# Altium PCB OneBox.PcbDoc (part 12 of 13)
Units mm, origin at the board's own origin, x right, y up, seen from the top; angles counter-clockwise.
Board outline 101 x 69 mm, 6 copper layers (L1_Sig, L2_Gnd, L3_Pow, L4_Sig, L5_Gnd, L6_Sig), stack 1.538 mm thick; 766 components, 563 nets, 3133 pads, 2914 vias.
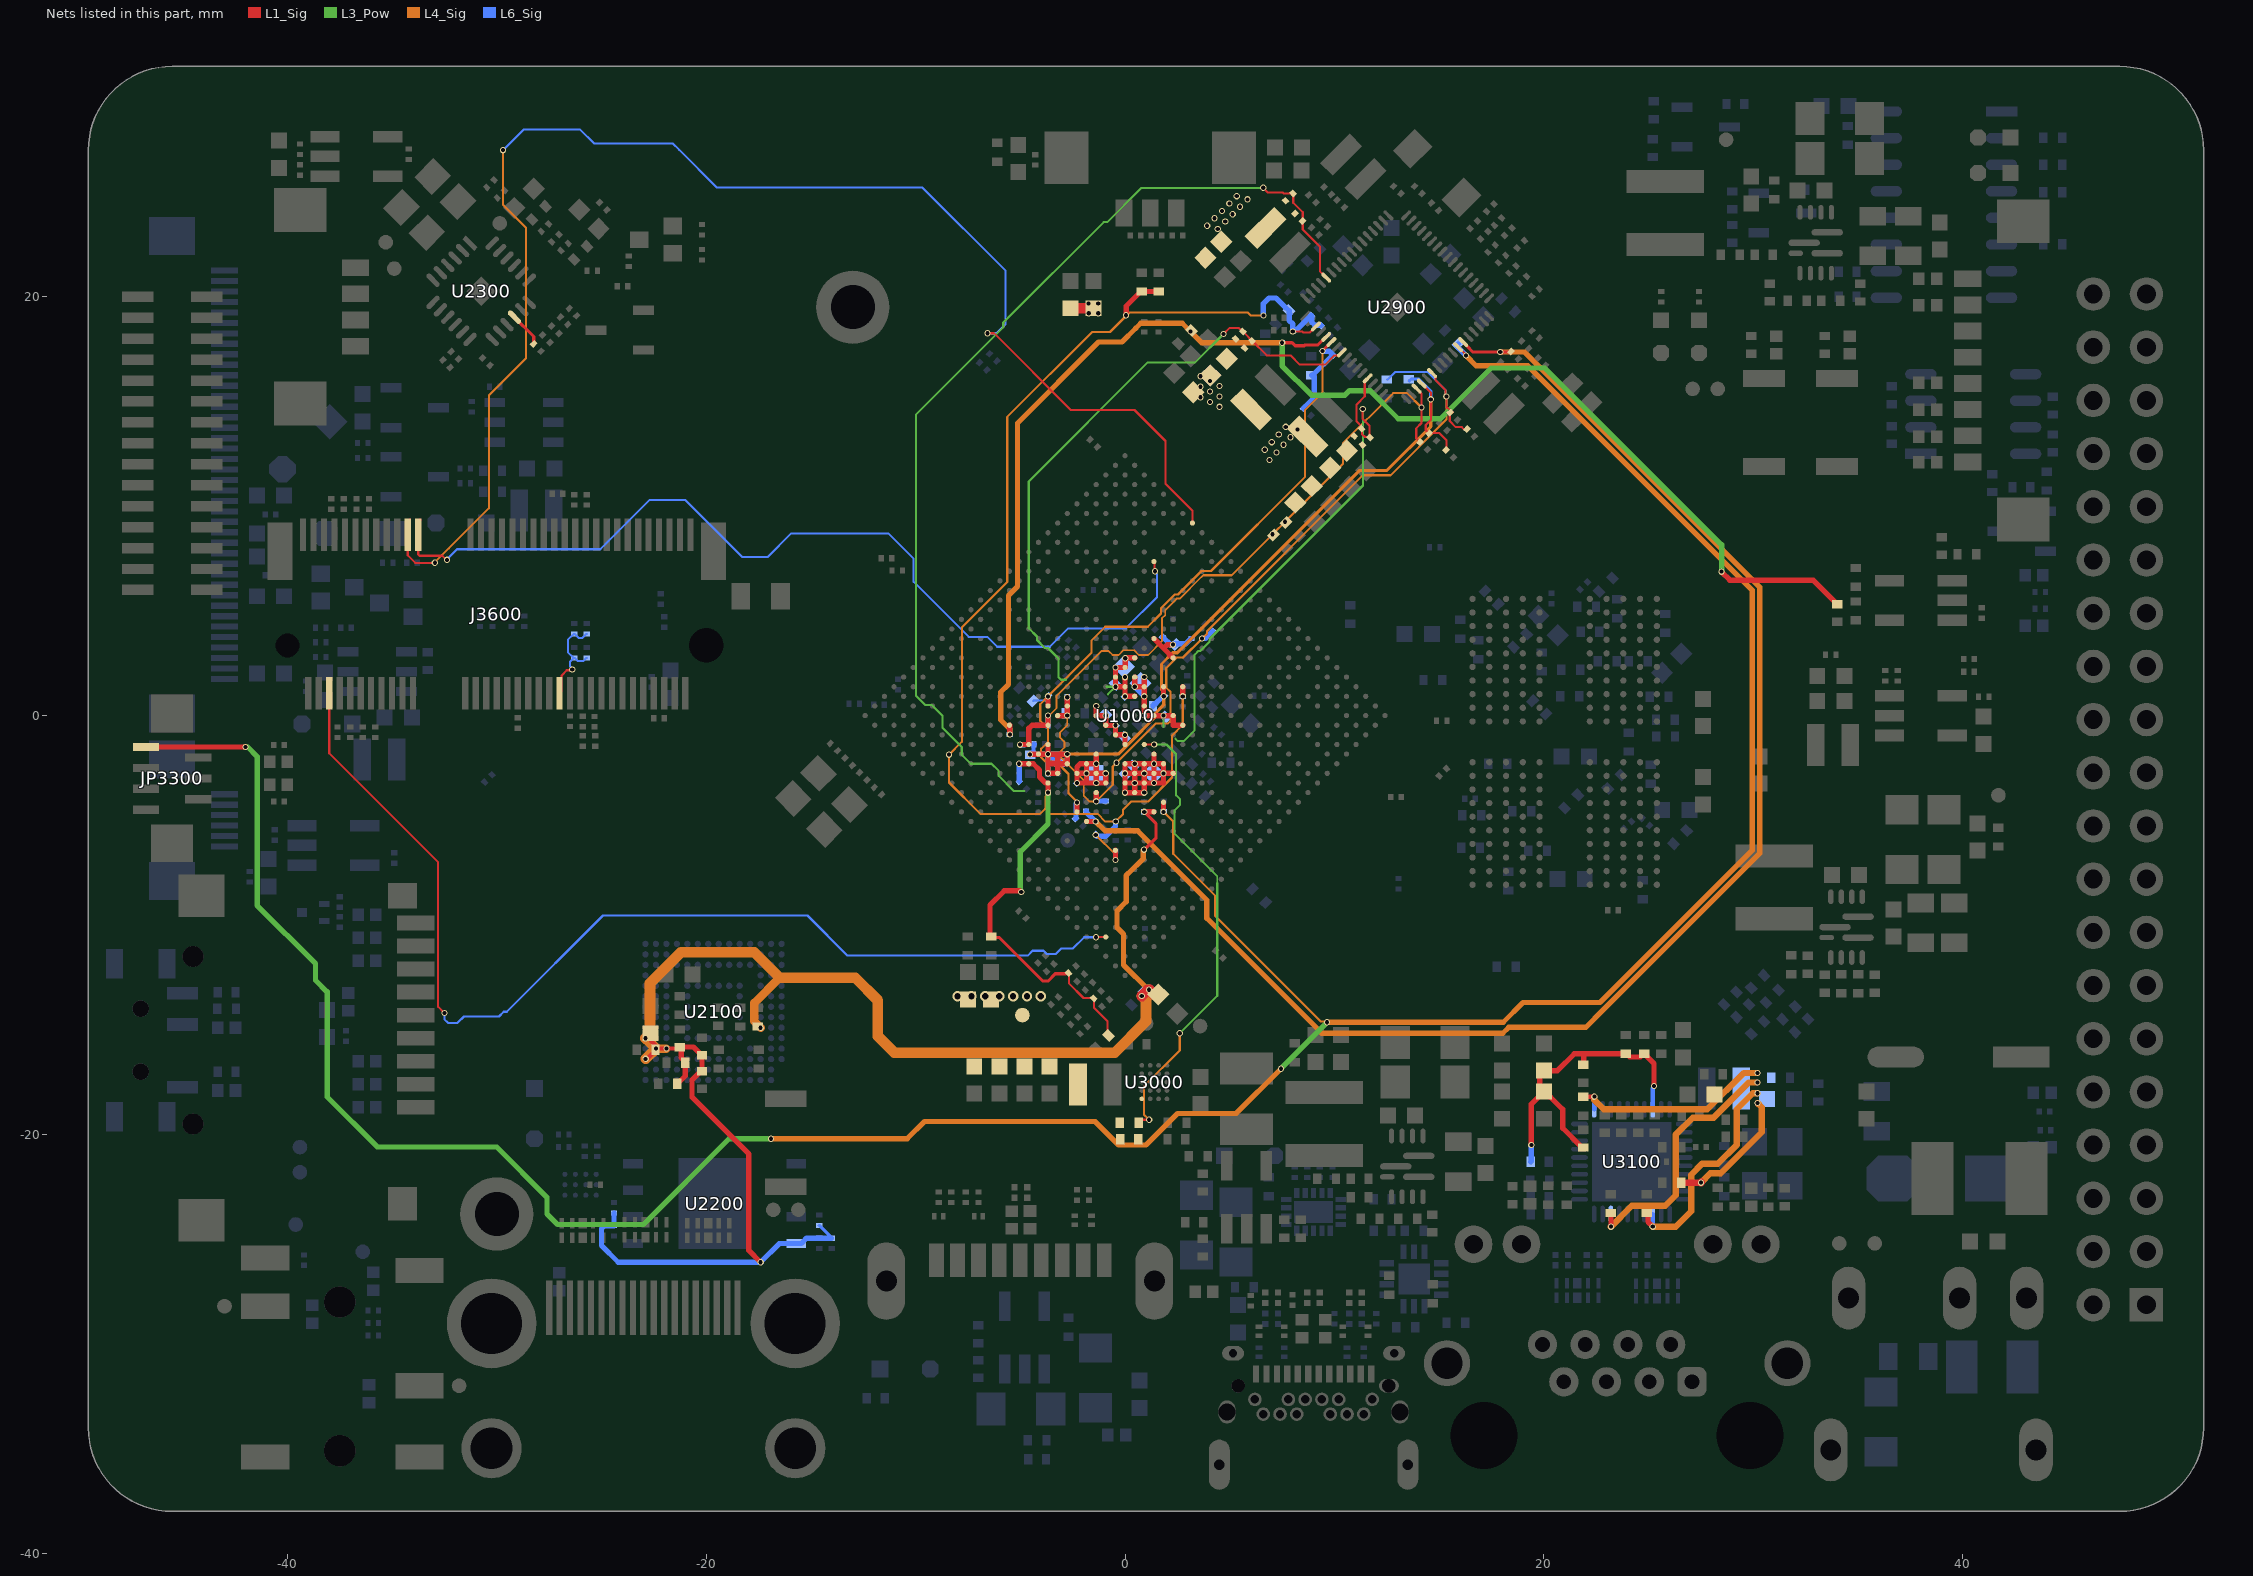
[diagram p16: the nets of this part, all layers, seen from the top]

## Via types
v1: diameter 0.3, hole 0.2, L1_Sig to L6_Sig, tented both sides, 2711 vias
v2: diameter 0.5, hole 0.3, L1_Sig to L6_Sig, tented both sides, 199 vias
v3: diameter 0.305, hole 0.203, L1_Sig to L6_Sig, tented both sides, 4 vias

## Nets (pads, with @x,y where several pads share a name; then routed paths per layer and width w, separated by ;. In a path a pad name is that pad's centre, name@x,y a point inside that pad or via, vN(x,y) a via of type N, cw(c..) or ccw(c..) an arc to the next point about the centre after c; other vN are vias at no path point) (continued)
VCCA1V8_IMAGE: C1803.2 C1804.2 C1809.2 C1811.2 C2927.2 C2935.1 LB2904.1 U1000.M22 U1000.W18 U2900.6 | length 36.8
  L1_Sig w0.152: v1(9.423,17.411) U2900.6@9.712,17.699
  L1_Sig w0.203: v1(9.423,17.411) v1(9.423,17.411)
  L1_Sig w0.254: U1000.W18@-3.677,0.46 v1(-3.677,0.919) ; U1000.M22@-2.298,-4.596 -2.298,-4.156 v1(-2.293,-4.15)
  L4_Sig w0.089: -2.7,-3.7 -2.697,-3.703
  L4_Sig w0.102: -2.7,-3.7 -2.7,-2.787 -3.3,-2.187 -3.824,-2.187 -4.007,-2.004 -4.007,-1.577 -3.674,-1.244 -3.674,-0.626 -4.049,-0.251 -4.049,0.548 v1(-3.677,0.919) -1.61,2.986 -1.61,3.581 -0.948,4.243 1.089,4.243 1.719,4.874 1.719,5.12 2.381,5.782 2.529,5.782 3.653,6.906 4.106,6.906 8.6,11.4 8.6,14.6 9.423,15.423 v1(9.423,17.411) ; -2.697,-3.703 -2.293,-4.107 v1(-2.293,-4.15) ; v1@-2.295,-4.166 v1@-2.279,-4.15
  L6_Sig w0.102: C1804.2@-4.397,0.691 -4.361,0.727 -3.8,0.727 -3.675,0.852 -3.675,0.917 v1(-3.677,0.919)
  L6_Sig w0.254: C1809.2@-2.357,-4.916 -2.342,-4.902 -2.342,-4.212 -2.293,-4.163 v1(-2.293,-4.15) ; C2927.2@8.523,14.677 C1811.2@9.023,15.177 9.038,15.192 9.038,16.162 LB2904.1@8.95,16.25 ; LB2904.1@8.9,16.25 LB2904.1@8.95,16.25 ; v1(9.423,17.411) 9.432,17.402 9.744,17.402 C2935.1@9.923,17.223 LB2904.1@8.95,16.25
VCCA1V8_PMU: C1206.2 C1207.2 C2926.2 R2707.1 U1000.Y21 U2900.5 | length 68.4
  L1_Sig w0.152: v1(7.5,17.8) 7.977,17.8 8.12,17.657 8.557,17.657 8.6,17.7 9.213,17.7 9.598,18.086 U2900.5@9.606,18.086
  L1_Sig w0.254: U1000.Y21@-5.515,-0.46 -5.51,-0.465 -5.51,-0.89 v1(-5.5,-0.9) ; v1(28.483,6.875) 28.483,6.862 28.878,6.468 32.857,6.468 R2707.1@34,5.325
  L3_Pow w0.254: v1(7.5,17.8) 7.5,16.7 8.9,15.3 10.5,15.3 10.714,15.514 11.705,15.514 13.044,14.175 15.059,14.175 17.484,16.6 20.039,16.6 28.486,8.153 28.486,6.878 v1(28.483,6.875)
  L4_Sig w0.254: v1(-5.5,-0.9) -5.5,-0.639 -5.934,-0.205 -5.934,1.125 -5.569,1.491 -5.569,5.731 -5.139,6.161 -5.139,13.961 -1.265,17.835 -0.15,17.835 0.51,18.496 0.749,18.734 2.73,18.734 v1(3.125,18.34) 3.664,17.8 v1@7.486,17.8
VCCA_1V8: C1211.2 C1212.2 C1707.2 C1904.2 C1907.2 C1911.2 C1914.2 C2925.2 C2933.1 LB2902.1 R1700.1 R3407.2 R3409.2 U1000.H22 U1000.N10 U1000.R22 U1000.U22 U2900.3 | length 84
  L1_Sig w0.102: R3407.2@-2.7,-12.3 -2.682,-12.317 -2.682,-12.785 -1.985,-13.482 -1.518,-13.482 R1700.1@-1.5,-13.5 -1.482,-13.518 -1.482,-13.954 -0.832,-14.604 -0.832,-15.244 R3409.2@-0.797,-15.28 ; R3409.2@-0.935,-15.264 R3409.2@-0.864,-15.335 ; v1(8.005,18.343) 8.455,18.343 8.498,18.3 8.83,18.3 U2900.3@9.111,18.581
  L1_Sig w0.152: C1211.2@-6.4,-10.55 -6.357,-10.593 -6.011,-10.593 -3.934,-12.67 -3.67,-12.67 -3.33,-12.33 -2.835,-12.33 -2.787,-12.282 -2.718,-12.282 R3407.2@-2.7,-12.3 ; v1(8.005,18.343) v1@8.03,18.368 ; U2900.3@9.103,18.581 U2900.3@9.111,18.581
  L1_Sig w0.254: C1211.2@-6.446,-10.55 -6.446,-9.047 -5.77,-8.37 -5.021,-8.37 -4.97,-8.421 v1(-4.957,-8.421) ; v1(-5.058,-2.298) U1000.U22@-4.596,-2.298 -4.384,-2.298 -4.086,-2.597 -4.086,-2.927 -3.796,-3.217 U1000.R22@-3.677,-3.217 v1(-3.677,-3.677) ; v1(-0.46,-6.894) U1000.H22@-0.46,-6.435 ; v1(0.05,19.117) 0.059,19.126 0.059,19.559 0.75,20.25 C1907.2@0.8,20.25 C1914.2@1.7,20.25 ; v1(2.758,0.919) U1000.N10@2.758,1.379
  L3_Pow w0.254: v1(-4.957,-8.421) -4.966,-8.412 -4.966,-8.399 -5,-8.365 -5,-6.5 -3.677,-5.177 v1(-3.677,-3.677)
  L4_Sig w0.089: v1@-3.677,-3.731 -3.813,-3.867 -3.813,-4.447 -3.57,-4.691 -1.309,-4.691 -0.941,-5.058 v1(-0.446,-5.058)
  L4_Sig w0.102: -3.813,-4.447 -4.057,-4.691 -6.909,-4.691 -8.404,-3.196 v1(-8.404,-1.863) -7.792,-1.25 -7.792,4.208 -5.622,6.378 -5.622,14.265 -1.57,18.318 -0.718,18.318 0.066,19.101 0.209,19.244 5.856,19.244 5.995,19.105 v1(6.614,19.105) ; v1@-3.677,-3.731 v1(-3.677,-3.677) v1@-3.677,-3.669 ; v1@-1.438,-5.662 v1(-1.4,-5.7) -0.498,-6.602 -0.498,-6.856 v1(-0.46,-6.894) ; v1@-0.44,-5.052 -0.1,-4.712 -0.1,-4.5 0.3,-4.1 1.1,-4.1 2.245,-2.955 2.245,-0.955 2.758,-0.442 v1(2.758,0.919)
  L4_Sig w0.254: v1@-5.068,-2.308 v1(-5.058,-2.298)
  L6_Sig w0.102: C2925.2@9.361,18.625 C2925.2@9.361,18.626
  L6_Sig w0.254: v1@-5.058,-2.299 -5.058,-3.11 C1911.2@-5.039,-3.129 ; v1(-1.4,-5.7) -1.336,-5.764 -0.922,-5.764 -0.453,-5.295 -0.453,-5.065 v1(-0.446,-5.058) ; v1(6.614,19.105) 6.605,19.114 6.605,19.676 6.87,19.941 7.209,19.941 7.249,19.9 7.252,19.9 LB2902.1@7.717,19.435 ; LB2902.1@7.832,19.331 7.832,19.228 7.868,19.192 7.832,19.157 7.832,18.87 8.014,18.689 v1@8.014,18.352 ; v1(8.005,18.343) v1@8.014,18.352 ; C2933.1@8.877,19.11 8.186,18.419 8.149,18.419 8.082,18.352 v1@8.014,18.352 ; C2933.1@8.894,19.095 8.909,19.08 8.909,18.791 9.061,18.639 9.346,18.639 C2925.2@9.361,18.625
VCCIO6: C1600.2 C1601.2 R1601.1 U1000.R9 U1000.U9 | length 3.7
  L1_Sig w0.254: U1000.U9@1.379,3.677 1.838,3.217 ; v1(2.289,3.39) 2.28,3.38 2.001,3.38 1.838,3.217 ; U1000.R9@2.298,2.758 1.838,3.217
  L6_Sig w0.254: C1600.2@1.786,3.764 2.185,3.365 2.265,3.365 v1(2.289,3.39) ; R1601.1@2.264,3.368 R1601.1@2.322,3.426 ; R1601.1@2.39,3.39 v1(2.289,3.39) ; C1601.2@3.176,3.681 3.155,3.681 2.909,3.436 2.335,3.436 v1(2.289,3.39)
VCCIO_ACODEC: C1300.2 C2922.2 JP3300.1 U1000.H17 U2900.28 | length 148.4
  L1_Sig w0.102: U2900.28@15.899,17.591 15.92,17.591 16.28,17.231 v1(16.28,17.19)
  L1_Sig w0.254: JP3300.1@-46.75,-1.5 -43.003,-1.5 v1(-42,-1.5) ; v1(1.838,-4.596) U1000.H17@1.838,-4.137
  L3_Pow w0.254: v1@-41.997,-1.509 -41.883,-1.509 -41.442,-1.949 -41.442,-9.058 -38.656,-11.844 -38.656,-12.635 -38.1,-13.19 -38.1,-18.2 -35.7,-20.6 -30,-20.6 -27.6,-23 -27.6,-23.8 -27.1,-24.3 -23,-24.3 -18.9,-20.2 v1(-16.903,-20.2) ; v1(7.447,-16.86) 7.447,-16.848 9.642,-14.653 v1(9.642,-14.64)
  L4_Sig w0.102: v1(1.838,-4.596) 2.301,-5.059 2.301,-6.601 4.3,-8.6 4.3,-9.568 9.339,-14.607 9.609,-14.607 v1(9.642,-14.64)
  L4_Sig w0.254: v1@-16.89,-20.2 -10.4,-20.2 -9.579,-19.379 -1.425,-19.379 -0.305,-20.5 1,-20.5 2.5,-19 5.307,-19 v1(7.447,-16.86) ; v1(9.642,-14.64) 9.645,-14.643 18.057,-14.643 19.001,-13.7 22.679,-13.7 29.944,-6.435 29.944,5.988 19.232,16.7 16.77,16.7 v1(16.28,17.19)
  L6_Sig w0.254: C2922.2@15.905,17.743 15.874,17.712 15.874,17.609 16.28,17.202 v1(16.28,17.19)
VCCIO_FLASH: C1400.2 C2000.2 C2100.1 C2101.1 C2102.1 C2103.1 C2104.1 C2202.1 C2203.1 R2001.2 R2100.2 R2101.2 R2102.2 R2202.1 R2203.1 R2204.1 U1000.H18 U2100.C6 U2100.M4 U2100.N4 U2100.P3 U2100.P5 U2200.8 | length 83.6
  L1_Sig w0.102: v1(1.145,-13.089) 1.372,-13.316 C2000.2@1.58,-13.316
  L1_Sig w0.152: v1(0.9,-6.4) 0.923,-6.4 1.471,-5.852 1.471,-5.147 1.247,-4.924 v1(0.919,-4.596)
  L1_Sig w0.203: v1(-22.893,-15.407) -22.883,-15.397 -22.725,-15.397 -22.661,-15.332 -22.661,-15.5 -22.42,-15.741 -22.42,-15.881 v1(-22.4,-15.9) v1(-21.9,-15.9) -21.278,-15.9 R2102.2@-21.195,-15.817 ; v1(-22.891,-16.39) -22.872,-16.372 -22.816,-16.372 -22.544,-16.1 -22.518,-16.1 -22.401,-15.982 v1(-22.4,-15.9)
  L1_Sig w0.254: C2100.1@-21.38,-17.58 -21.38,-17.53 -21.307,-17.457 -21.257,-17.457 -20.997,-17.196 C2103.1@-20.997,-16.572 -20.997,-16.522 -21.195,-16.324 R2102.2@-21.195,-15.823 ; R2102.2@-21.195,-15.817 R2102.2@-21.195,-15.823 ; R2100.2@-20.25,-16.975 -20.681,-17.406 -20.681,-18.219 -17.961,-20.939 -17.961,-25.539 v1(-17.4,-26.1) ; R2100.2@-20.2,-16.975 R2101.2@-20.2,-16.225 -20.25,-16.225 -20.323,-16.152 -20.323,-16.102 -20.602,-15.823 R2102.2@-21.195,-15.823 ; v1(0.919,-4.596) U1000.H18@1.379,-4.596
  L1_Sig w0.508: v1(0.801,-13.386) 1.098,-13.089 v1(1.145,-13.089) 1.174,-13.089 1.401,-13.316 C2000.2@1.58,-13.316
  L4_Sig w0.127: v1@0.871,-6.429 v1(0.9,-6.4)
  L4_Sig w0.254: v1@0.871,-6.429 0.871,-6.813 0.135,-7.549 0.053,-7.631 0.053,-8.889 -0.383,-9.325 -0.383,-10.117 -0.073,-10.427 -0.073,-11.9 v1@1.117,-13.089
  L4_Sig w0.406: v1(-22.4,-15.9) v1(-21.9,-15.9) ; v1(-17.4,-14.9) -17.7,-14.6 -17.7,-13.722 -16.489,-12.511
  L4_Sig w0.508: v1(-22.893,-15.407) v1@-22.9,-15.4 ; v1(-22.891,-16.39) v1(-22.4,-15.9) -22.65,-15.65 v1@-22.9,-15.4 ; v1(1.145,-13.089) 1.117,-13.089 0.819,-13.386 v1(0.801,-13.386) 1,-13.586 1,-14.6 -0.497,-16.097 -11.012,-16.097 -11.8,-15.309 -11.8,-13.6 -12.889,-12.511 -16.489,-12.511 -17.7,-11.3 -21.2,-11.3 -22.686,-12.786 -22.686,-15.186 v1@-22.9,-15.4
  L6_Sig w0.152: R2203.1@-14.6,-24.35 -14.575,-24.35 -14.074,-24.851 -14.074,-24.901 -14.025,-24.95 C2203.1@-14,-24.95
  L6_Sig w0.203: v1(-22.893,-15.407) -22.432,-15.868 v1(-22.4,-15.9) ; v1(-22.891,-16.39) -22.9,-16.399 v1(-22.4,-15.9) ; v1(-21.9,-15.9) v1(-22.4,-15.9)
  L6_Sig w0.254: R2202.1@-24.4,-23.75 -24.4,-24.35 -24.402,-24.352 -24.851,-24.352 -25,-24.501 -25,-25.3 -24.2,-26.1 v1(-17.4,-26.1) -16.505,-25.205 -15.45,-25.205 -15.352,-25.107 -15.352,-25.099 -15.203,-24.95 C2202.1@-14.6,-24.95 C2203.1@-14.025,-24.95 ; v1(0.9,-6.4) v1@0.912,-6.4
VCCIO_PHY1: C3113.2 C3114.2 C3115.2 R3106.2 R3126.2 R3131.2 R3133.2 U3100.28 | length 16.8
  L1_Sig w0.254: v1(19.4,-20.5) 19.39,-20.49 19.39,-18.56 C3113.2@20,-17.95 20.254,-18.204 20.304,-18.204 20.9,-18.8 20.9,-19.698 21.754,-20.552 21.827,-20.625 R3131.2@21.877,-20.625 ; C3113.2@19.8,-17.95 19.8,-17.15 R3133.2@20,-16.95 20.65,-16.95 21.45,-16.15 21.9,-16.15 ; R3126.2@21.877,-16.675 21.9,-16.652 21.9,-16.15 ; C3115.2@24.8,-16.15 24.75,-16.15 24.6,-16.3 24.1,-16.3 23.95,-16.15 C3114.2@23.9,-16.15 21.9,-16.15 ; C3115.2@24.85,-16.15 24.923,-16.223 24.923,-16.273 25.258,-16.608 v1(25.258,-17.682)
  L6_Sig w0.203: U3100.28@25.201,-18.801 25.201,-17.791 25.258,-17.734 v1(25.258,-17.682)
  L6_Sig w0.254: R3106.2@19.375,-21.3 19.4,-21.275 v1(19.4,-20.5)
VCCIO_SD: C1401.2 C2923.2 U1000.L22 U2900.29 | length 73.3
  L1_Sig w0.152: U2900.29@16.147,17.838 16.147,17.831 16.309,17.668 16.309,17.664 16.614,17.359 v1(17.917,17.358) 18.406,17.359 C2923.2@18.423,17.377
  L1_Sig w0.254: U1000.L22@-1.838,-5.056 v1(-1.406,-5.055) v1(-1.406,-5.055)
  L4_Sig w0.254: v1(-1.406,-5.055) -0.96,-5.5 0.6,-5.5 1.145,-6.045 3.9,-8.8 3.9,-9.671 9.397,-15.168 18.036,-15.168 18.321,-14.883 21.999,-14.883 22.826,-14.056 30.3,-6.582 30.3,6.135 19.38,17.056 19.077,17.358 v1(17.917,17.358)
  L6_Sig w0.254: C1401.2@-1.863,-4.561 -1.842,-4.561 -1.84,-4.563 -1.84,-4.62 v1@-1.415,-5.045
VDD10_PHY1: C3105.2 C3106.2 C3107.2 C3108.2 C3109.2 C3110.2 L3104.2 R3132.2 U3100.3 U3100.8 U3100.21 U3100.38 | length 41
  L1_Sig w0.203: C3107.2@21.877,-18.2 21.88,-18.197 22.407,-18.197 v1(22.41,-18.194)
  L1_Sig w0.254: v1(23.2,-24.4) 23.2,-23.8 C3109.2@23.259,-23.74 ; C3108.2@24.95,-23.75 24.972,-23.772 24.972,-24.172 v1(25.2,-24.4)
  L1_Sig w0.305: C3110.2@26.55,-22.3 v1(27.5,-22.3)
  L1_Sig w0.381: C3108.2@24.9,-23.75 C3108.2@24.95,-23.75
  L4_Sig w0.305: v1(22.41,-18.194) 22.41,-18.353 22.857,-18.8 27.8,-18.8 29.538,-17.062 v1(30.197,-17.062) ; v1(23.2,-24.4) 24.2,-23.4 25.8,-23.4 26.3,-22.9 26.3,-20 27.1,-19.2 28.1,-19.2 29.779,-17.521 v1(30.197,-17.521) ; v1(25.2,-24.4) 26.3,-24.4 27.03,-23.67 27.03,-21.92 27.55,-21.4 28.3,-21.4 29.2,-20.5 29.2,-18.8 29.965,-18.035 v1(30.196,-18.035) ; v1(27.5,-22.3) 27.941,-21.859 28.441,-21.859 30.4,-19.9 30.4,-18.7 v1(30.2,-18.5)
  L6_Sig w0.203: U3100.21@22.399,-18.801 22.402,-18.797 22.402,-18.201 v1(22.41,-18.194) ; v1(23.2,-24.4) U3100.8@23.2,-23.8 ; v1(25.2,-24.4) U3100.3@25.201,-23.799 ; U3100.38@26.699,-22.301 v1@27.499,-22.301
VDD_CPU: C1000.2 C1001.2 C1002.2 C1003.2 C1004.2 C3002.2 C3003.2 C3004.2 C3005.2 C3006.2 L3000.1 R3001.2 TP3000.1 U1000.J15 U1000.K15 U1000.K16 U1000.K17 U1000.K18 U1000.L15 U1000.L16 U1000.L17 U1000.L18 U1000.M17 | length 13.4
  L1_Sig w0.254: U1000.L15@1.379,-1.838 v1(1.379,-2.298) ; v1@1.389,-3.208 v1(1.379,-3.217) ; v1@1.829,-2.767 v1(1.839,-2.758) ; U1000.J15@2.298,-2.758 v1(1.839,-2.758) ; U1000.L18@0,-3.217 v1(0,-3.677) U1000.K18@0.46,-3.677 ; U1000.L18@0,-3.217 v1(0,-2.758) ; U1000.L18@0,-3.217 v1(0.46,-3.217) ; v1(0,-2.758) U1000.M17@0,-2.298 v1(0.46,-2.298) ; v1(0,-2.758) U1000.L17@0.46,-2.758 ; U1000.K18@0.46,-3.677 v1(0.919,-3.677) U1000.K17@0.919,-3.217 ; U1000.K18@0.46,-3.677 v1(0.46,-3.217) ; v1(0.46,-3.217) U1000.L17@0.46,-2.758 ; v1(0.46,-3.217) U1000.K17@0.919,-3.217 ; U1000.L17@0.46,-2.758 v1(0.46,-2.298) ; U1000.L17@0.46,-2.758 v1(0.919,-2.758) ; v1(0.46,-2.298) U1000.L16@0.919,-2.298 ; U1000.K17@0.919,-3.217 v1(0.919,-2.758) ; U1000.K17@0.919,-3.217 v1(1.379,-3.217) ; v1(0.919,-2.758) U1000.L16@0.919,-2.298 ; v1(0.919,-2.758) U1000.K16@1.379,-2.758 ; U1000.L16@0.919,-2.298 v1(1.379,-2.298) ; v1(1.379,-3.217) U1000.K16@1.379,-2.758 ; v1(1.379,-3.217) 1.838,-3.217 v1(1.839,-2.758) ; U1000.K16@1.379,-2.758 v1(1.839,-2.758) ; U1000.K16@1.379,-2.758 v1(1.379,-2.298) ; v1(1.379,-2.298) U1000.K15@1.838,-2.298 v1(1.839,-2.758)
  other v2: -8,-13.4 -7.337,-13.4 -6.673,-13.4 -6.01,-13.4 -5.346,-13.4 -4.683,-13.4 -4.019,-13.4
VDD_CPU_COM: C3002.1 R3001.1 U1000.M15 U3000.A4 | length 22.3
  L1_Sig w0.102: C3002.1@0.651,-19.299 v1(1.149,-19.299) ; U1000.M15@0.919,-1.379 v1(1.389,-1.38)
  L3_Pow w0.089: 2.434,-1.834 2.434,-3.811 2.626,-4.004 2.626,-4.267 2.364,-4.529 2.364,-5.644 4.4,-7.68 4.4,-8
  L3_Pow w0.102: v1(1.389,-1.38) 1.98,-1.38 2.434,-1.834 ; v1(2.61,-15.166) 4.4,-13.376 4.4,-8
  L4_Sig w0.102: v1(1.149,-19.299) 0.9,-19.05 0.9,-17.7 2.61,-15.99 v1(2.61,-15.166)
VDD_GPU: C1012.2 C1013.2 C1014.2 C1015.2 C1016.2 C2904.1 C2904.2 C2905.2 C2906.2 L2902.1 R2901.1 R2901.2 U1000.R13 U1000.T13 U1000.U11 U1000.U12 U1000.U13 U2900.8 | length 34.3
  L1_Sig w0.102: v1(4.7,18.219) 4.981,18.5 5.438,18.5 C2904.2@5.595,18.343 ; C2904.2@5.595,18.314 C2904.2@5.595,18.343 ; C2904.2@5.624,18.343 C2904.2@5.595,18.343 ; C2904.2@5.684,18.277 R2901.2@6.064,17.897 6.761,17.2 7.804,17.2 ; 7.804,17.2 7.9,17.2 8.343,16.757 9.557,16.757 10.001,17.201 10.206,17.201 U2900.8@10.348,17.343
  L1_Sig w0.254: v1@0,1.8 0,1.777 U1000.T13@0,1.379 ; U1000.R13@0.46,0.919 v1(0,0.919) U1000.T13@0,1.379 ; U1000.U11@0.46,2.758 0.037,2.758 0.021,2.742 v1(0.009,2.742) 0.009,2.307 U1000.U12@0,2.298 v1(-0.46,2.298) U1000.U13@-0.46,1.838 v1(-0.46,1.379) U1000.T13@0,1.379
  L3_Pow w0.102: -2.823,1.709 -3.056,1.709 -3.179,1.832 -3.179,2.727 -3.68,3.228 -3.828,3.228 -4.207,3.607 -4.207,3.779 -4.6,4.172 -4.6,11.178 1.087,16.865 3.346,16.865 v1(4.7,18.219) ; -0.891,1.379 v1(-0.46,1.379) -0.819,1.02
  other v1: 0,1.838 4.507,14.742 4.053,14.971 3.6,15.2 4.507,15.242 4.053,15.471 3.6,15.7 4.507,15.742 4.053,15.971 3.6,16.2
VDD_LOGIC: C1005.2 C1006.2 C1007.2 C1008.2 C1009.2 C1010.2 C1011.2 C2901.1 C2901.2 C2902.2 C2903.2 L2900.1 R2900.1 R2900.2 U1000.L12 U1000.M12 U1000.N13 U1000.N16 U1000.P13 U1000.P16 U1000.R12 U1000.R16 U1000.T12 U1000.T16 U2900.13 | length 34.4
  L1_Sig w0.102: R2900.2@11.292,13.7 R2900.2@11.31,13.682 ; v1(11.346,14.637) 11.346,14.161 11.679,13.828 C2901.1@11.679,13.3 ; U2900.13@11.586,16.106 11.444,15.964 11.444,15.812 11.442,15.81 11.442,15.242 11.049,14.849 11.049,14.048 11.31,13.787 R2900.2@11.31,13.682 ; C2901.1@11.696,13.283 C2901.1@11.679,13.3 ; R2900.2@11.31,13.682 11.31,13.447 11.456,13.3 C2901.1@11.679,13.3
  L1_Sig w0.254: v1(-1.379,0.46) U1000.T16@-1.379,0 v1(-0.919,0) U1000.R16@-0.919,-0.46 v1(-0.46,-0.46) U1000.P16@-0.46,-0.919 v1(0,-0.919) U1000.N16@0,-1.379 ; U1000.T12@0.46,1.838 v1(0.46,1.379) U1000.R12@0.919,1.379 ; v1(0.919,1.838) U1000.R12@0.919,1.379 ; U1000.L12@2.758,-0.46 2.298,-0.46 U1000.M12@2.298,0 v1(1.838,0) U1000.N13@1.379,0 v1(0.919,0) U1000.P13@0.919,0.46 v1(0.919,0.919) U1000.R12@0.919,1.379
  L3_Pow w0.102: v1(0.919,1.838) v1@0.919,1.88 ; 1.838,-0.538 v1(1.838,0) ; 2.4,-1.1 2.519,-1.219 2.798,-1.219 3.321,-0.695 3.321,2.905 3.509,3.093 3.602,3.093 4.034,3.526 4.034,3.661 11.361,10.988 11.361,14.621 v1(11.346,14.637)
  L6_Sig w0.254: v1(0.46,1.379) v1(0.919,0.919)
  other v1: 6.9,12.2 7.235,12.564 6.669,12.694 7.569,12.929 7.004,13.058 7.904,13.293 7.338,13.422 8.238,13.657 7.673,13.787
VDD_NPU: C1017.2 C1018.2 C1019.2 C1020.2 C2908.2 C2909.2 C2910.1 C2910.2 L2901.1 R2902.1 R2902.2 U1000.M19 U1000.N19 U1000.P18 U1000.P19 U1000.P20 U2900.64 | length 57.7
  L1_Sig w0.102: v1(6.6,25.2) 6.821,24.979 7.522,24.979 7.579,24.922 7.926,24.922 7.972,24.877 8.034,24.877 8.034,24.489 8.487,24.036 8.487,23.638 8.452,23.603 8.452,23.498 8.487,23.463 8.487,23.213 9.3,22.4 9.3,21.22 U2900.64@9.606,20.914
  L1_Sig w0.254: C1019.2@-2.6,19.45 C1019.2@-2.346,19.196 ; U1000.P20@-2.274,-2.733 U1000.P20@-2.298,-2.758 ; C1020.2@-1.5,19.45 -1.382,19.569 -1.382,19.572 v1(-1.277,19.676) ; U1000.P18@-1.379,-1.838 v1(-1.379,-2.298) ; U1000.P20@-2.298,-2.758 v1(-1.838,-2.758) ; U1000.P20@-2.298,-2.758 v1(-2.298,-3.217) -1.838,-3.217 ; U1000.P20@-2.298,-2.758 -2.298,-2.451 -2.146,-2.298 U1000.P19@-1.838,-2.298 ; -1.838,-3.217 v1(-1.838,-2.758) ; -1.838,-3.217 v1(-1.379,-3.217) ; v1(-1.838,-2.758) -1.428,-2.758 -1.403,-2.733 U1000.N19@-1.379,-2.758 ; v1(-1.838,-2.758) U1000.P19@-1.838,-2.298 ; U1000.P19@-1.838,-2.298 v1(-1.379,-2.298) ; v1(-1.379,-3.217) U1000.N19@-1.379,-2.758 ; v1(-1.379,-3.217) U1000.M19@-0.919,-3.217 v1(-0.919,-2.758) U1000.N19@-1.379,-2.758 ; U1000.N19@-1.379,-2.758 v1(-1.379,-2.298)
  L1_Sig w0.508: C1019.2@-2.6,19.45 C1020.2@-1.5,19.45
  L3_Pow w0.102: -4.8,-3.6 -5.308,-3.6 -6.038,-2.87 -6.038,-2.641 -6.381,-2.299 -7.368,-2.299 -7.8,-1.867 -7.8,-1.5 -8.718,-0.582 -8.718,0 -9.218,0.5 -9.527,0.5 -9.987,0.96 -9.987,14.37 -5.813,18.544 -5.813,18.773 -1.023,23.563 -0.853,23.563 0.784,25.2 v1(6.6,25.2)
  other v1: -1.733,19.213 -1.281,19.213 -1.741,19.676 4.429,23.236 3.919,23.39 4.783,23.59 4.273,23.744 5.136,23.943 4.626,24.098 5.49,24.297 4.98,24.451 5.843,24.65 5.333,24.805
VDDA0V9_IMAGE: C1801.2 C1802.2 C1810.2 C1812.2 C2919.2 C2934.1 LB2903.1 U1000.M20 U1000.V17 U1000.V18 U2900.23 | length 43.3
  L1_Sig w0.102: U2900.23@14.662,16.353 14.825,16.19 14.825,16.018 15.304,15.54 15.304,15.274 v1(15.341,15.237) ; v1@15.347,15.202 15.341,15.196 15.341,14.763 15.523,14.58 C2919.2@15.523,14.477 ; C2919.2@15.653,14.501 15.628,14.477 C2919.2@15.523,14.477 ; C2934.1@16.341,13.694 16.305,13.659 16.2,13.659 16.083,13.776 15.796,13.776 15.506,14.067 15.506,14.459 C2919.2@15.523,14.477
  L1_Sig w0.254: U1000.V18@-3.217,0 v1(-2.758,0) U1000.V17@-2.758,0.46 -2.758,0.873 v1(-2.756,0.875) ; U1000.M20@-1.381,-3.681 -1.377,-3.684 v1@-1.377,-4.072 ; v1(-1.377,-4.096) v1@-1.377,-4.073
  L4_Sig w0.089: v1(-2.758,0) -2.758,-0.458 -3.1,-0.8 -3.1,-1.053 -2.9,-1.252 -2.9,-1.523 -3.1,-1.723 -3.1,-1.957 -1.974,-3.083 -1.974,-3.826 -1.704,-4.096 v1(-1.377,-4.096)
  L4_Sig w0.102: v1(-1.377,-4.096) -0.589,-3.308 -0.589,-2.427 v1(-0.412,-2.25) 1.453,-0.386 2.044,-0.386 2.176,-0.254 2.176,1.124 1.968,1.332 1.968,2.272 2.468,2.771 2.768,2.771 v1(3.678,3.681) ; v1@3.687,3.69 3.91,3.914 3.91,4.033 11.356,11.479 12.679,11.479 15.341,14.141 v1(15.341,15.237)
  L4_Sig w0.254: v1@3.664,3.681 v1(3.678,3.681) ; v1@3.687,3.69 v1@3.687,3.702 ; v1(15.341,15.237) v1@15.35,15.228
  L6_Sig w0.102: LB2903.1@12.5,16.05 12.55,16.05 12.914,16.414 14.43,16.414 15.304,15.54 15.304,15.274 v1(15.341,15.237)
  L6_Sig w0.254: v1(-1.377,-4.096) -1.363,-4.096 -1.343,-4.076 -0.924,-4.076 C1810.2@-0.922,-4.074 ; v1(3.678,3.681) 3.688,3.691 3.841,3.691 4.174,4.023 C1812.2@4.177,4.023
VDDA0V9_PMU: C1204.2 C1205.2 C1213.2 C1214.2 C2921.2 U1000.V19 U1000.V21 U2900.20 | length 32.6
  L1_Sig w0.102: U2900.20@13.919,15.611 13.919,15.601 14.156,15.364 v1(14.156,14.711) 14.156,13.969 13.902,13.714 13.902,13.24 C2921.2@14.087,13.055
  L1_Sig w0.254: v1(-5.02,-1.387) -5.012,-1.379 U1000.V21@-4.596,-1.379 -4.596,-0.608 -4.447,-0.46 U1000.V19@-3.677,-0.46 v1(-3.677,0)
  L4_Sig w0.089: v1@-3.677,-0.042 -3.271,0.364 -3.271,0.941 -1.13,3.082 -0.782,3.082 -0.594,2.893 -0.307,2.893 -0.082,3.118 0.437,3.118 0.662,2.893 1.099,2.893 1.762,3.557 1.762,4.639 1.916,4.792 1.916,5.039 2.462,5.585 2.61,5.585 3.65,6.625 3.659,6.625
  L4_Sig w0.102: 3.659,6.625 3.737,6.703 4.191,6.703 5.088,6.703 7.003,8.618 7.082,8.618 7.082,8.697 v1(7.643,9.257) ; v1(7.043,8.657) v1@7.082,8.657 ; v1@7.682,9.257 7.682,9.297 10.4,12.015 10.4,13 12.8,15.4 13.467,15.4 v1(14.156,14.711)
  L6_Sig w0.254: C1213.2@-3.676,-0.455 v1(-3.677,0)
VDDA_0V9: C1208.2 C1209.2 C1905.2 C1906.2 C1912.2 C1913.2 C2920.2 C2932.1 LB2901.1 U1000.P11 U1000.R20 U1000.R21 U1000.U20 U1000.U21 U2900.21 | length 43.7
  L1_Sig w0.102: U2900.21@14.167,15.858 14.6,15.425 v1(14.6,15.1) 14.6,14.117 14.36,13.877 14.36,13.64 C2920.2@14.523,13.477 ; C2932.1@15.305,12.659 C2932.1@15.323,12.677 15.341,12.694 15.341,13.159 15.009,13.491 14.65,13.491 14.646,13.494 C2920.2@14.541,13.494 ; C2920.2@14.523,13.477 C2920.2@14.541,13.494 ; C2920.2@14.523,13.477 C2920.2@14.541,13.494